# KiCad board jetson-nano-baseboard.kicad_pcb (continued)
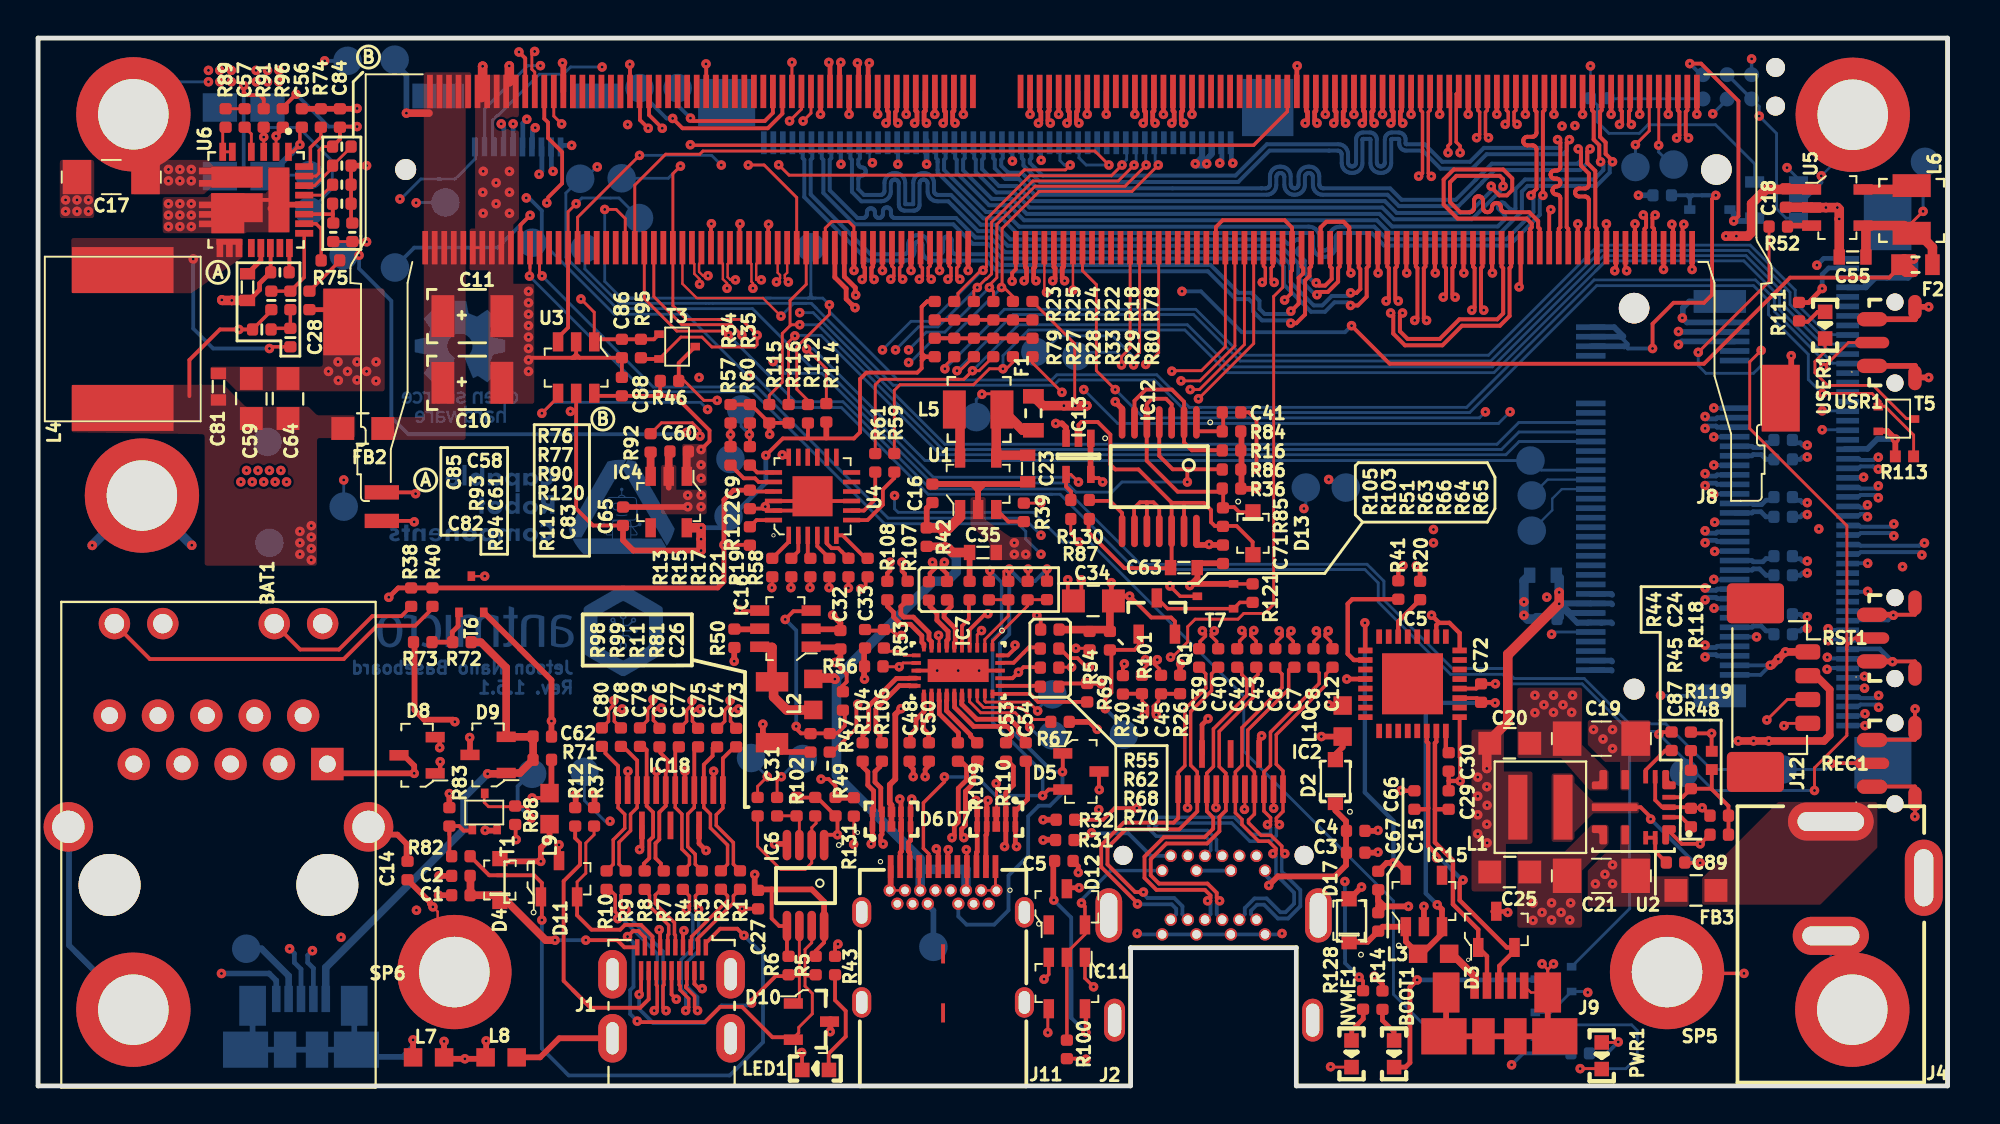
[diagram p0: board, top side]
## Routing (per net, layer and track width the routed paths; a pad name or vN(x,y) marks a point on that pad's centre or on a via; arc(x,y) is an arc through that point) (continued)
  Bottom w0.2: v1(52.96,27.13) 52.33,26.5 51.6,26.5 v1(50.98,27.13) 50.98,23.71 50.49,23.23 50.49,19.25 53.25,16.48 v1(53.77,16.48) 53.77,15.37 53.11,14.71 52.53,14.71 51.97,14.15 51.97,12.07 50.94,11.04 50.94,9.22 50.18,8.47 48.73,8.47 48.3,8.89 J11.B5
/USB/C_USBSS_RX1_N: length 11.9
  Top w0.25: v1(43.73,12.7) 43.86,12.83 43.86,13.14 43.79,13.21 D6.1 D6.1 43.86,14.45 43.86,15.48 43.55,15.79 43.55,16.49 43.29,16.75 43.29,17.15
  In2_SINGAL.Cu w0.18: 44.04,9.24 44.04,9.68 43.4,10.32 43.4,10.74 43.41,10.75
  In2_SINGAL.Cu w0.22: J11.B10 45.68,9.33 45.68,8.78 45.36,8.46 44.54,8.46 44.04,8.96 44.04,9.24 ; 43.41,10.75 43.41,11.39 43.87,11.85 43.87,12.56 v1(43.73,12.7)
/USB/C_USBSS_RX1_P: length 10.7
  Top w0.25: 44.19,17.16 44.19,16.76 43.93,16.5 43.93,15.94 44.23,15.64 44.23,14.45 D6.2 D6.2 44.29,13.21 44.23,13.14 44.23,12.83 v1(44.36,12.7)
  In2_SINGAL.Cu w0.18: 44.39,9.24 44.39,9.77 43.76,10.4 43.76,10.74 43.75,10.75
  In2_SINGAL.Cu w0.22: J11.B11 45.33,9.33 45.33,8.92 45.22,8.81 44.68,8.81 44.39,9.1 44.39,9.24 ; v1(44.36,12.7) 44.22,12.56 44.22,11.71 43.75,11.25 43.75,10.75
/USB/C_USBSS_RX2_N: length 11.2
  Top w0.25: v1(47.97,13.03) 48.09,13.16 48.09,13.64 48.3,13.85 48.3,15.62 48.73,16.06 48.73,16.75 48.31,17.18 ; v1(49.23,14.99) 49.29,14.92 D7.5 D7.5 49.29,12.29 49.25,12.25 J11.A10
  In2_SINGAL.Cu w0.22: v1(47.97,13.03) 48.11,13.17 48.11,13.6 48.54,14.04 49.26,14.04 49.37,14.15 49.37,14.85 v1(49.23,14.99)
/USB/C_USBSS_RX2_P: length 11.2
  Top w0.25: 49.54,17.18 49.11,16.75 49.11,15.9 48.68,15.46 48.68,13.69 48.47,13.48 48.47,13.16 v1(48.59,13.03) ; v1(49.86,14.99) 49.79,14.92 D7.4 D7.4 49.79,13.21 49.75,13.16 J11.A11
  In2_SINGAL.Cu w0.22: v1(48.59,13.03) 48.45,13.17 48.45,13.46 48.69,13.69 49.41,13.69 49.72,14 49.72,14.85 v1(49.86,14.99)
/USB/C_USBSS_RX6_N: length 3.6
  Top w0.25: IC7.10 46.49,23.18 46.39,23.29 46.39,23.63 45.79,24.23 45.28,24.23 44.91,24.61 44.91,24.85 44.59,25.17 44.59,25.58
/USB/C_USBSS_RX6_P: length 3.7
  Top w0.25: 45.7,25.58 45.28,25.16 45.28,24.76 45.44,24.61 45.94,24.61 46.76,23.79 46.76,23.44 46.89,23.31 IC7.9
/USB/C_USBSS_TX1_N: length 10.4
  Top w0.25: v1(45.86,15.06) 45.79,14.99 D6.5 D6.5 45.79,12.89 45.69,12.78 45.69,12.31 45.75,12.25 J11.A3 ; 45.79,17.18 45.79,16.78 45.93,16.63 v1(45.93,16.23)
  In2_SINGAL.Cu w0.22: v1(45.86,15.06) 45.72,14.92 45.72,14.46 46.51,13.67 46.94,13.67 47.31,14.04 47.31,14.86 46.78,15.39 46.33,15.39 46.07,15.64 46.07,16.12 45.96,16.23 v1(45.93,16.23)
/USB/C_USBSS_TX1_P: length 11.5
  Top w0.25: v1(45.23,15.06) 45.29,14.99 D6.4 45.29,13.98 45.31,13.96 45.31,12.31 45.25,12.25 J11.A2 ; v1(46.56,16.23) 46.56,16.61 46.75,16.8 46.75,17.2
  In2_SINGAL.Cu w0.22: v1(45.23,15.06) 45.37,14.92 45.37,14.32 46.36,13.33 47.08,13.33 47.65,13.89 47.65,15 46.92,15.73 46.48,15.73 46.42,15.79 46.42,16.12 46.54,16.23 v1(46.56,16.23)
/USB/C_USBSS_TX2_N: length 14.1
  Top w0.25: v1(50.73,12.57) 50.79,12.63 D7.2 D7.2 50.79,15.39 51.19,15.78 51.19,16.75 50.77,17.18
  In2_SINGAL.Cu w0.18: 50.51,8.79 51.02,9.31 51.02,9.79 51.15,9.91 51.15,10.05 51.42,10.32
  In2_SINGAL.Cu w0.22: J11.B3 49.33,9.33 49.33,8.96 49.74,8.55 50.27,8.55 50.51,8.79 ; v1(50.73,12.57) 50.87,12.71 50.87,13.04 51.24,13.41 51.7,13.41 52.17,12.94 52.17,11.08 51.42,10.32
/USB/C_USBSS_TX2_P: length 11.5
  Top w0.25: 51.39,14.5 51.94,15.04 51.94,17.05 ; v1(51.36,12.57) 51.29,12.63 D7.1 D7.1
  In2_SINGAL.Cu w0.18: 50.31,9.08 50.69,9.46 50.69,9.89 50.84,10.04 50.84,10.24 51.26,10.66
  In2_SINGAL.Cu w0.22: J11.B2 49.68,9.33 49.68,9.1 49.88,8.9 50.12,8.9 50.31,9.08 ; v1(51.36,12.57) 51.22,12.71 51.22,12.9 51.39,13.07 51.56,13.07 51.83,12.8 51.83,11.22 51.26,10.66
/USB/C_USBSS_TX6_N: length 3
  Top w0.25: 46.81,25.58 46.81,25.17 47.18,24.8 47.18,24.44 47.76,23.86 47.76,23.44 47.69,23.37 IC7.7
/USB/C_USBSS_TX6_P: length 3
  Top w0.25: IC7.6 48.09,23.24 48.14,23.29 48.14,24.01 47.55,24.6 47.55,24.8 47.92,25.17 47.92,25.58
/USB/CC1: length 4
  Top w0.15: IC7.2 49.69,23.43 50.92,24.66 50.92,25.52 49.91,25.52
/USB/CC2: length 4.3
  Top w0.15: IC7.1 50.09,23.35 51.94,25.2 51.94,25.52 52.95,25.52 52.96,25.53
/USB/DBG_USB_D_N: length 15.3
  Top w0.23: J9.2 76.05,6.81 D3.1 75.59,8.21 74.26,9.53 74.26,11.83 73.32,12.78 73.32,14.53 ; 73.39,18.63 73.39,18.07 73.32,18 73.32,14.53 ; 73.32,14.53 73.33,14.52 C29.2
/USB/DBG_USB_D_P: length 17
  Top w0.2: 73.46,11.91 v1(73.4,11.97)
  Top w0.23: 74.74,10.81 74.62,10.68 74.62,9.74 77.09,7.27 D3.2 77.49,7.09 76.7,6.3 J9.3 ; v1(73.4,11.97) 73.4,12.16 72.98,12.58 72.96,12.58 72.96,14.58 ; 72.89,18.63 72.89,18.07 72.96,18 72.96,14.58 ; C15.2 72.9,14.52 72.96,14.58 ; 72.29,14.58 72.24,14.54
  Bottom w0.23: 74.74,10.81 73.58,11.97 v1(73.4,11.97)
  vias: v1(74.79,10.81)
/USB/EN_MUX: length 12
  Top w0.15: 54.19,22 54.17,21.98 53.57,21.98 ; IC7.12 45.4,22.2 v1(45.2,22) 44.47,22
  In2_SINGAL.Cu w0.15: v1(54.25,21.98) 53.82,22.41 50.64,22.41 50.34,22.71 45.91,22.71 v1(45.2,22)
/USB/USBC_ADDR: length 5.5
  Top w0.15: IC7.22 48.89,20.17 49.48,19.59 51.29,19.59 v1(52.04,18.83)
  Bottom w0.15: TP21.1 52.48,18.4 v1(52.04,18.83)
/USB/USBC_FAULT: length 4.6
  Top w0.15: v1(52.47,19.68) 52,20.15 49.75,20.15 49.69,20.2 IC7.24
  Bottom w0.15: TP32.1 52.47,19.78 v1(52.47,19.68)
/USB/USBC_ID: length 15.2
  Top w0.125: 51.03,21.4 IC7.27
  Top w0.2: 50.79,21.4 51.14,21.4 v1(51.46,21.71) 51.72,21.98 52.61,21.98 ; v1(56.02,19.8) 56.02,20.32 56.34,20.64 56.34,22.81 56.26,22.89 57.56,22.89 57.78,23.11 57.77,23.12 Q1.1
  In2_SINGAL.Cu w0.2: v1(51.46,21.71) 51.46,21.72 52.42,21.72 54.34,19.8 v1(56.02,19.8)
  Bottom w0.2: v1(56.02,19.8) 56.99,18.82 TP18.1
/USB/USBC_INTN: length 4.7
  Top w0.15: 53.16,19.08 53.01,19.23 52.25,19.23 51.62,19.87 49.63,19.87 49.29,20.2 IC7.23
/USB/USBC_SCL: length 2.2
  Top w0.2: IC7.26 52.47,21 52.6,21.13
/USB/USBC_SDA: length 5.2
  Top w0.2: 55.12,20.16 52.49,20.16 52.07,20.58 IC7.25
/USB/USBSS_RX1_N: length 5.2
  Top w0.25: 43.29,18 43.29,18.41 43.6,18.71 43.6,19.94 45.05,21.39 45.7,21.39 45.71,21.4 IC7.14
/USB/USBSS_RX1_P: length 4.5
  Top w0.25: IC7.15 45.74,21 45.73,21.01 45.2,21.01 43.98,19.78 43.98,18.63 44.19,18.42 44.19,18.01
/USB/USBSS_RX2_N: length 3
  Top w0.25: IC7.18 47.29,20.22 47.31,20.2 47.31,19.53 48.31,18.53 48.31,18.03
/USB/USBSS_RX2_P: length 3.3
  Top w0.25: R110.1 48.95,18.36 48.95,18.43 47.68,19.69 47.68,20.2 47.69,20.22 IC7.19
/USB/USBSS_TX1_N: length 2.8
  Top w0.25: 45.79,18.03 45.79,18.44 46.08,18.73 46.08,19.23 46.51,19.65 46.51,20.2 46.49,20.22 IC7.16
/USB/USBSS_TX1_P: length 2.9
  Top w0.25: 46.75,18.05 46.75,18.46 46.46,18.75 46.46,19.07 46.88,19.5 46.88,20.2 46.89,20.22 IC7.17
/USB/USBSS_TX2_N: length 5
  Top w0.25: 50.77,18.03 51.09,18.35 51.09,18.65 50.87,18.87 49.11,18.87 48.11,19.88 48.11,20.2 48.09,20.22 IC7.20
/USB/USBSS_TX2_P: length 5.1
  Top w0.25: 51.99,18.03 51.47,18.55 51.47,18.8 51.02,19.25 49.27,19.25 48.48,20.03 48.48,20.2 48.49,20.22 IC7.21
\PEWAKE_3V3: length 56.7
  Top w0.15: v1(40.15,50.65) 40.57,51.06 40.57,52.2
  In2_SINGAL.Cu w0.15: v1(39.98,40.59) 39.98,40.97 40.14,41.13 40.14,50.63 v1(40.15,50.65)
  Bottom w0.15: J8.54 77.72,34.82 76.58,33.68 47.59,33.68 40.68,40.59 v1(39.98,40.59)
DP_PWR: length 18.4
  Top w0.3: v1(67.36,18.34) 67.36,18.34 L10.2 68.48,17.78 68.09,17.4 68.09,17.06 ; R26.2 59.94,22.13 v1(59.97,22.16)
  In2_SINGAL.Cu w0.3: 61.94,22.46 60.28,22.46 v1(59.97,22.16) ; 61.94,22.46 68.81,22.46 69.42,21.86 69.42,20.4 v1(67.36,18.34) ; 61.94,22.46 60.89,22.46
EGND: length 18.1
  Top w0.3: 17.38,13.19 18.86,13.19 19.34,12.71 19.34,11.84 C14.1
  Top w0.4: 17.38,13.19 17.39,13.19
  Bottom w0.3: 2,7 SP4.1 1.62,7.38 1.62,13.19 ; 2,13.07 2.12,13.19
ENET_LED0: length 51.5
  Top w0.2: M1.194 36.82,45.23 v1(36.84,45.26)
  In5_3V3_SYS_SIGNAL.Cu w0.2: J3.13 8.19,25.91 15.44,25.91 16.59,24.76 23.04,24.76 24.69,26.41 24.69,43.26 25.54,44.11 36.49,44.11 36.82,44.43 36.82,45.23 v1(36.84,45.26)
ENET_LED1: length 43.2
  Top w0.2: M1.188 38.32,45.2 v1(38.34,45.23)
  In5_3V3_SYS_SIGNAL.Cu w0.2: v1(38.34,45.23) 36.77,43.66 25.79,43.66 25.14,43.01 25.14,26.21 23.2,24.27 J3.11
ENET_TRD0_N: length 53.4
  Top w0.125: v1(39.38,42.2) 39.19,42.39 39.19,42.56 39.32,42.69 M1.184
  In5_3V3_SYS_SIGNAL.Cu w0.125: J3.3 12.93,16.9 16.14,20.11 25.32,20.11 31.07,25.85 31.07,29.58 31.07,29.62 31.08,29.66 31.1,29.69 31.13,29.72 31.17,29.74 31.2,29.75 31.24,29.76 31.4,29.76 31.49,29.77 31.57,29.8 31.65,29.84 31.71,29.91 31.76,29.98 31.79,30.07 31.8,30.16 31.8,30.21 31.79,30.29 31.76,30.38 31.71,30.46 31.65,30.52 31.57,30.57 31.49,30.6 31.4,30.61 30.51,30.61 30.47,30.61 30.44,30.62 30.4,30.64 30.37,30.67 30.35,30.71 30.34,30.74 30.34,30.78 30.34,30.82 30.35,30.86 30.37,30.89 30.4,30.92 30.44,30.94 30.47,30.95 30.51,30.96 31.4,30.96 31.49,30.97 31.57,31 31.65,31.04 31.71,31.11 31.76,31.18 31.79,31.27 31.8,31.36 31.8,31.41 31.79,31.49 31.76,31.58 31.71,31.66 31.65,31.72 31.57,31.77 31.49,31.8 31.4,31.81 30.51,31.81 30.47,31.81 30.44,31.82 30.4,31.84 30.37,31.87 30.35,31.91 30.34,31.94 30.34,31.98 30.34,32.02 30.35,32.06 30.37,32.09 30.4,32.12 30.44,32.14 30.47,32.15 30.51,32.16 31.4,32.16 31.49,32.17 31.57,32.2 31.65,32.24 31.71,32.31 31.76,32.38 31.79,32.47 31.8,32.56 31.8,32.61 31.79,32.69 31.76,32.78 31.71,32.86 31.65,32.92 31.57,32.97 31.49,33 31.4,33.01 31.24,33.01 31.2,33.01 31.17,33.02 31.13,33.04 31.1,33.07 31.08,33.11 31.07,33.14 31.07,33.18 31.07,39.75 31.49,40.18 37.87,40.18 39.14,41.45 39.14,41.96 v1(39.38,42.2)
ENET_TRD0_P: length 53.4
  Top w0.125: v1(38.76,42.2) 38.94,42.39 38.94,42.56 38.82,42.69 M1.186
  In5_3V3_SYS_SIGNAL.Cu w0.125: v1(38.76,42.2) 38.89,42.06 38.89,41.56 37.77,40.43 31.39,40.43 30.82,39.86 30.82,33.16 30.83,33.07 30.86,32.98 30.9,32.91 30.97,32.84 31.04,32.8 31.13,32.77 31.22,32.76 31.37,32.76 31.41,32.75 31.45,32.74 31.48,32.72 31.51,32.69 31.53,32.66 31.54,32.62 31.55,32.58 31.54,32.54 31.53,32.51 31.51,32.47 31.48,32.44 31.45,32.42 31.41,32.41 31.37,32.41 30.49,32.41 30.4,32.4 30.31,32.37 30.24,32.32 30.17,32.26 30.13,32.18 30.1,32.09 30.09,32.01 30.09,31.96 30.1,31.87 30.13,31.78 30.17,31.71 30.24,31.64 30.31,31.6 30.4,31.57 30.49,31.56 31.37,31.56 31.41,31.55 31.45,31.54 31.48,31.52 31.51,31.49 31.53,31.46 31.54,31.42 31.55,31.38 31.54,31.34 31.53,31.31 31.51,31.27 31.48,31.24 31.45,31.22 31.41,31.21 31.37,31.21 30.49,31.21 30.4,31.2 30.31,31.17 30.24,31.12 30.17,31.06 30.13,30.98 30.1,30.89 30.09,30.81 30.09,30.76 30.1,30.67 30.13,30.58 30.17,30.51 30.24,30.44 30.31,30.4 30.4,30.37 30.49,30.36 31.37,30.36 31.41,30.35 31.45,30.34 31.48,30.32 31.51,30.29 31.53,30.26 31.54,30.22 31.55,30.18 31.54,30.14 31.53,30.11 31.51,30.07 31.48,30.04 31.45,30.02 31.41,30.01 31.37,30.01 31.22,30.01 31.13,30 31.04,29.97 30.97,29.92 30.9,29.86 30.86,29.78 30.83,29.69 30.82,29.61 30.82,25.96 30.32,25.46 26.71,21.86 26.69,21.84 26.67,21.83 26.64,21.82 26.61,21.82 26.58,21.83 26.56,21.84 26.54,21.86 26.32,22.07 26.3,22.09 26.27,22.1 26.25,22.11 26.22,22.11 26.19,22.1 26.17,22.09 26.15,22.07 26.13,22.05 26.12,22.02 26.11,22 26.11,21.97 26.12,21.94 26.13,21.92 26.15,21.89 26.36,21.68 26.38,21.66 26.39,21.63 26.4,21.6 26.4,21.58 26.39,21.55 26.38,21.52 26.36,21.5 26.34,21.48 26.31,21.47 26.29,21.47 26.26,21.47 26.23,21.47 26.21,21.48 26.18,21.5 25.97,21.72 25.95,21.73 25.92,21.75 25.89,21.75 25.87,21.75 25.84,21.75 25.81,21.73 25.79,21.72 25.77,21.69 25.76,21.67 25.76,21.64 25.76,21.61 25.76,21.59 25.77,21.56 25.79,21.54 26.01,21.32 26.02,21.3 26.04,21.28 26.04,21.25 26.04,21.22 26.04,21.2 26.02,21.17 26.01,21.15 25.98,21.13 25.96,21.12 25.93,21.11 25.9,21.11 25.88,21.12 25.85,21.13 25.83,21.15 25.61,21.36 25.59,21.38 25.57,21.39 25.54,21.4 25.51,21.4 25.49,21.39 25.46,21.38 25.44,21.36 25.42,21.34 25.41,21.32 25.4,21.29 25.4,21.26 25.41,21.23 25.42,21.21 25.44,21.19 25.65,20.97 25.67,20.95 25.68,20.92 25.69,20.9 25.69,20.87 25.68,20.84 25.67,20.82 25.65,20.79 25.21,20.36 14.83,20.36 J3.2
ENET_TRD1_N: length 53.4
  Top w0.125: 37.69,42.31 37.69,43.15 37.82,43.28 M1.190 ; 37.7,42.31 v1(37.96,42.31)
  In5_3V3_SYS_SIGNAL.Cu w0.125: v1(37.96,42.31) 37.61,42.31 37.6,42.3 37.31,42.3 37.08,42.08 37.08,41.78 36.38,41.08 30.22,41.08 29.47,40.33 29.47,36.71 29.48,36.63 29.5,36.56 29.54,36.49 29.6,36.44 29.66,36.4 29.74,36.37 29.81,36.36 29.96,36.36 29.98,36.36 30.01,36.35 30.03,36.34 30.05,36.32 30.06,36.3 30.07,36.27 30.07,36.25 30.07,36.23 30.07,36.21 30.06,36.18 30.05,36.16 30.03,36.14 30.01,36.13 29.98,36.12 29.96,36.11 29.81,36.11 29.74,36.11 29.66,36.08 29.6,36.04 29.54,35.98 29.5,35.92 29.48,35.85 29.47,35.77 29.47,35.71 29.48,35.63 29.5,35.56 29.54,35.49 29.6,35.44 29.66,35.4 29.74,35.37 29.81,35.36 29.96,35.36 29.98,35.36 30.01,35.35 30.03,35.34 30.05,35.32 30.06,35.3 30.07,35.27 30.07,35.25 30.07,35.23 30.07,35.21 30.06,35.18 30.05,35.16 30.03,35.14 30.01,35.13 29.98,35.12 29.96,35.11 29.81,35.11 29.74,35.11 29.66,35.08 29.6,35.04 29.54,34.98 29.5,34.92 29.48,34.85 29.47,34.77 29.47,34.71 29.48,34.63 29.5,34.56 29.54,34.49 29.6,34.44 29.66,34.4 29.74,34.37 29.81,34.36 29.96,34.36 29.98,34.36 30.01,34.35 30.03,34.34 30.05,34.32 30.06,34.3 30.07,34.27 30.07,34.25 30.07,34.23 30.07,34.21 30.06,34.18 30.05,34.16 30.03,34.14 30.01,34.13 29.98,34.12 29.96,34.11 29.81,34.11 29.74,34.11 29.66,34.08 29.6,34.04 29.54,33.98 29.5,33.92 29.48,33.85 29.47,33.77 29.47,26.41 24.19,21.13 10.46,21.13 10.1,20.77 J3.5
ENET_TRD1_P: length 53.4
  Top w0.125: M1.192 37.32,43.28 37.44,43.15 37.44,42.21 37.52,42.13 v1(37.52,41.87)
  In5_3V3_SYS_SIGNAL.Cu w0.125: J3.4 10.35,20.46 10.35,20.66 10.57,20.88 11.64,20.88 11.67,20.88 11.7,20.87 11.72,20.85 11.74,20.83 11.75,20.81 11.76,20.78 11.77,20.76 11.77,20.58 11.77,20.55 11.78,20.53 11.79,20.5 11.81,20.48 11.84,20.47 11.86,20.46 11.89,20.45 11.92,20.46 11.95,20.47 11.97,20.48 11.99,20.5 12,20.53 12.01,20.55 12.02,20.58 12.02,20.76 12.02,20.78 12.03,20.81 12.04,20.83 12.06,20.85 12.09,20.87 12.11,20.88 12.14,20.88 12.17,20.88 12.2,20.87 12.22,20.85 12.24,20.83 12.25,20.81 12.26,20.78 12.27,20.76 12.27,20.58 12.27,20.55 12.28,20.53 12.29,20.5 12.31,20.48 12.34,20.47 12.36,20.46 12.39,20.45 12.42,20.46 12.45,20.47 12.47,20.48 12.49,20.5 12.5,20.53 12.51,20.55 12.52,20.58 12.52,20.76 12.52,20.78 12.53,20.81 12.54,20.83 12.56,20.85 12.59,20.87 12.61,20.88 12.64,20.88 12.67,20.88 12.7,20.87 12.72,20.85 12.74,20.83 12.75,20.81 12.76,20.78 12.77,20.76 12.77,20.58 12.77,20.55 12.78,20.53 12.79,20.5 12.81,20.48 12.84,20.47 12.86,20.46 12.89,20.45 12.92,20.46 12.95,20.47 12.97,20.48 12.99,20.5 13,20.53 13.01,20.55 13.02,20.58 13.02,20.76 13.02,20.78 13.03,20.81 13.04,20.83 13.06,20.85 13.09,20.87 13.11,20.88 13.14,20.88 24.29,20.88 26.45,23.04 26.48,23.06 26.5,23.07 26.53,23.08 26.56,23.08 26.58,23.07 26.61,23.06 26.65,23.03 26.68,23.01 26.71,23.01 26.73,23.01 26.76,23.01 26.79,23.03 26.81,23.04 26.83,23.06 26.84,23.09 26.84,23.12 26.84,23.15 26.84,23.17 26.83,23.2 26.79,23.24 26.78,23.27 26.77,23.29 26.77,23.32 26.78,23.35 26.79,23.37 26.81,23.4 26.83,23.41 26.86,23.43 26.88,23.43 26.91,23.43 26.94,23.43 26.96,23.41 27.01,23.38 27.03,23.37 27.06,23.36 27.09,23.36 27.11,23.37 27.14,23.38 27.16,23.4 27.18,23.42 27.19,23.44 27.2,23.47 27.2,23.5 27.19,23.53 27.18,23.55 27.14,23.59 27.13,23.62 27.13,23.65 27.13,23.68 27.13,23.7 27.14,23.73 27.16,23.75 27.18,23.77 27.21,23.78 27.24,23.79 27.26,23.79 27.29,23.78 27.32,23.77 27.36,23.73 27.39,23.72 27.41,23.71 27.44,23.71 27.47,23.72 27.49,23.73 27.52,23.75 27.53,23.77 27.55,23.8 27.55,23.82 27.55,23.85 27.55,23.88 27.53,23.9 27.5,23.95 27.49,23.97 27.48,24 27.48,24.03 27.49,24.06 27.5,24.08 27.52,24.1 27.54,24.12 27.56,24.13 27.59,24.14 27.62,24.14 27.65,24.13 27.67,24.12 27.71,24.09 27.74,24.07 27.77,24.07 27.79,24.07 27.82,24.07 27.85,24.09 27.87,24.1 27.89,24.13 27.9,24.15 27.91,24.18 27.91,24.21 27.9,24.23 27.89,24.26 27.85,24.3 27.84,24.33 27.83,24.35 27.83,24.38 27.84,24.41 27.85,24.43 27.87,24.46 29.72,26.3 29.72,33.75 29.72,33.77 29.73,33.8 29.74,33.82 29.76,33.84 29.78,33.85 29.81,33.86 29.83,33.86 29.98,33.86 30.06,33.87 30.13,33.9 30.19,33.94 30.25,33.99 30.29,34.06 30.32,34.13 30.32,34.21 30.32,34.27 30.32,34.35 30.29,34.42 30.25,34.48 30.19,34.54 30.13,34.58 30.06,34.61 29.98,34.61 29.83,34.61 29.81,34.62 29.78,34.63 29.76,34.64 29.74,34.66 29.73,34.68 29.72,34.71 29.72,34.73 29.72,34.75 29.72,34.77 29.73,34.8 29.74,34.82 29.76,34.84 29.78,34.85 29.81,34.86 29.83,34.86 29.98,34.86 30.06,34.87 30.13,34.9 30.19,34.94 30.25,34.99 30.29,35.06 30.32,35.13 30.32,35.21 30.32,35.27 30.32,35.35 30.29,35.42 30.25,35.48 30.19,35.54 30.13,35.58 30.06,35.61 29.98,35.61 29.83,35.61 29.81,35.62 29.78,35.63 29.76,35.64 29.74,35.66 29.73,35.68 29.72,35.71 29.72,35.73 29.72,35.75 29.72,35.77 29.73,35.8 29.74,35.82 29.76,35.84 29.78,35.85 29.81,35.86 29.83,35.86 29.98,35.86 30.06,35.87 30.13,35.9 30.19,35.94 30.25,35.99 30.29,36.06 30.32,36.13 30.32,36.21 30.32,36.27 30.32,36.35 30.29,36.42 30.25,36.48 30.19,36.54 30.13,36.58 30.06,36.61 29.98,36.61 29.83,36.61 29.81,36.62 29.78,36.63 29.76,36.64 29.74,36.66 29.73,36.68 29.72,36.71 29.72,36.73 29.72,40.18 30.37,40.83 36.48,40.83 v1(37.52,41.87)
ENET_TRD2_N: length 53.4
  Top w0.125: M1.196 36.32,43.28 36.19,43.15 36.19,42.45 36.34,42.31 v1(36.6,42.31)
  In5_3V3_SYS_SIGNAL.Cu w0.125: J3.8 8.69,21.83 23.19,21.83 24.35,22.99 24.37,23.02 24.38,23.04 24.39,23.07 24.39,23.1 24.38,23.12 24.37,23.15 24.35,23.17 24.27,23.25 24.26,23.27 24.24,23.3 24.24,23.33 24.24,23.35 24.24,23.38 24.26,23.41 24.27,23.43 24.29,23.45 24.32,23.46 24.35,23.46 24.38,23.46 24.4,23.46 24.43,23.45 24.45,23.43 24.53,23.35 24.55,23.33 24.58,23.32 24.6,23.31 24.63,23.31 24.66,23.32 24.68,23.33 24.71,23.35 24.72,23.37 24.74,23.4 24.74,23.42 24.74,23.45 24.74,23.48 24.72,23.5 24.71,23.52 24.63,23.61 24.61,23.63 24.6,23.65 24.59,23.68 24.59,23.71 24.6,23.73 24.61,23.76 24.63,23.78 24.65,23.8 24.67,23.81 24.7,23.82 24.73,23.82 24.76,23.81 24.78,23.8 24.8,23.78 24.88,23.7 24.91,23.68 24.93,23.67 24.96,23.67 24.99,23.67 25.01,23.67 25.04,23.68 25.06,23.7 25.08,23.72 25.09,23.75 25.1,23.78 25.1,23.8 25.09,23.83 25.08,23.86 25.06,23.88 24.98,23.96 24.96,23.98 24.95,24.01 24.94,24.03 24.94,24.06 24.95,24.09 24.96,24.11 24.98,24.14 25,24.15 25.03,24.17 25.05,24.17 25.08,24.17 25.11,24.17 25.13,24.15 25.16,24.14 25.24,24.06 25.26,24.04 25.28,24.03 25.31,24.02 25.34,24.02 25.37,24.03 25.39,24.04 25.41,24.06 28.62,27.26 28.62,30.43 28.61,30.47 28.6,30.51 28.58,30.54 28.55,30.57 28.52,30.59 28.48,30.6 28.44,30.61 28.27,30.61 28.18,30.62 28.09,30.65 28.02,30.69 27.95,30.76 27.91,30.83 27.88,30.92 27.87,31.01 27.87,31.06 27.88,31.14 27.91,31.23 27.95,31.31 28.02,31.37 28.09,31.42 28.18,31.45 28.27,31.46 28.44,31.46 28.48,31.46 28.52,31.47 28.55,31.49 28.58,31.52 28.6,31.56 28.61,31.59 28.62,31.63 28.61,31.67 28.6,31.71 28.58,31.74 28.55,31.77 28.52,31.79 28.48,31.8 28.44,31.81 28.27,31.81 28.18,31.82 28.09,31.85 28.02,31.89 27.95,31.96 27.91,32.03 27.88,32.12 27.87,32.21 27.87,32.26 27.88,32.34 27.91,32.43 27.95,32.51 28.02,32.57 28.09,32.62 28.18,32.65 28.27,32.66 28.44,32.66 28.48,32.66 28.52,32.67 28.55,32.69 28.58,32.72 28.6,32.76 28.61,32.79 28.62,32.83 28.62,40.63 29.61,41.63 35.57,41.63 35.72,41.78 35.72,42.08 35.95,42.3 36.24,42.3 36.25,42.31 v1(36.6,42.31)
ENET_TRD2_P: length 53.4
  Top w0.125: M1.198 35.82,43.28 35.94,43.15 35.94,42.35 36.16,42.13 v1(36.16,41.87)
  In5_3V3_SYS_SIGNAL.Cu w0.125: v1(36.16,41.87) 35.67,41.38 29.72,41.38 28.87,40.53 28.87,32.81 28.86,32.72 28.83,32.63 28.78,32.56 28.72,32.49 28.64,32.45 28.56,32.42 28.47,32.41 28.29,32.41 28.25,32.4 28.22,32.39 28.18,32.37 28.15,32.34 28.13,32.31 28.12,32.27 28.12,32.23 28.12,32.19 28.13,32.16 28.15,32.12 28.18,32.09 28.22,32.07 28.25,32.06 28.29,32.06 28.47,32.06 28.56,32.05 28.64,32.02 28.72,31.97 28.78,31.91 28.83,31.83 28.86,31.74 28.87,31.66 28.87,31.61 28.86,31.52 28.83,31.43 28.78,31.36 28.72,31.29 28.64,31.25 28.56,31.22 28.47,31.21 28.29,31.21 28.25,31.2 28.22,31.19 28.18,31.17 28.15,31.14 28.13,31.11 28.12,31.07 28.12,31.03 28.12,30.99 28.13,30.96 28.15,30.92 28.18,30.89 28.22,30.87 28.25,30.86 28.29,30.86 28.47,30.86 28.56,30.85 28.64,30.82 28.72,30.77 28.78,30.71 28.83,30.63 28.86,30.54 28.87,30.46 28.87,27.15 23.29,21.58 9.42,21.58 9.39,21.58 9.36,21.57 9.34,21.55 9.32,21.53 9.3,21.51 9.29,21.48 9.29,21.46 9.29,21.44 9.29,21.41 9.28,21.39 9.26,21.36 9.24,21.34 9.22,21.33 9.19,21.32 9.17,21.31 9.14,21.32 9.11,21.33 9.09,21.34 9.07,21.36 9.05,21.39 9.04,21.41 9.04,21.44 9.04,21.46 9.04,21.48 9.03,21.51 9.01,21.53 8.99,21.55 8.97,21.57 8.94,21.58 8.92,21.58 8.79,21.58 7.56,20.35 J3.7
ENET_TRD3_N: length 53.4
  Top w0.125: v1(35.16,42.53) 34.9,42.53 34.69,42.73 34.69,43.15 34.82,43.28 M1.202
  In5_3V3_SYS_SIGNAL.Cu w0.125: v1(35.16,42.53) 34.9,42.53 34.79,42.63 27.59,42.63 27.12,42.16 27.12,27.16 25.23,25.27 25.21,25.25 25.18,25.24 25.15,25.23 25.13,25.23 25.1,25.24 25.07,25.25 25.05,25.27 24.95,25.37 24.93,25.38 24.91,25.4 24.88,25.4 24.85,25.4 24.82,25.4 24.8,25.38 24.78,25.37 24.76,25.34 24.75,25.32 24.74,25.29 24.74,25.26 24.75,25.24 24.76,25.21 24.78,25.19 24.87,25.09 24.89,25.07 24.9,25.05 24.91,25.02 24.91,24.99 24.9,24.96 24.89,24.94 24.87,24.92 24.85,24.9 24.83,24.89 24.8,24.88 24.77,24.88 24.74,24.89 24.72,24.9 24.7,24.92 24.6,25.01 24.58,25.03 24.55,25.04 24.53,25.05 24.5,25.05 24.47,25.04 24.45,25.03 24.42,25.01 24.41,24.99 24.39,24.97 24.39,24.94 24.39,24.91 24.39,24.88 24.41,24.86 24.42,24.84 24.52,24.74 24.54,24.72 24.55,24.69 24.56,24.66 24.56,24.64 24.55,24.61 24.54,24.58 24.52,24.56 24.5,24.54 24.47,24.53 24.45,24.53 24.42,24.53 24.39,24.53 24.37,24.54 24.34,24.56 24.25,24.66 24.23,24.68 24.2,24.69 24.17,24.7 24.14,24.7 24.12,24.69 24.09,24.68 24.07,24.66 24.05,24.64 24.04,24.61 24.03,24.59 24.03,24.56 24.04,24.53 24.05,24.5 24.07,24.48 24.17,24.39 24.19,24.36 24.2,24.34 24.2,24.31 24.2,24.28 24.2,24.26 24.19,24.23 24.17,24.21 22.59,22.63 6.95,22.63 J3.10
ENET_TRD3_P: length 53.4
  Top w0.125: M1.204 34.32,43.28 34.44,43.15 34.44,42.63 34.72,42.35 v1(34.72,42.09)
  In5_3V3_SYS_SIGNAL.Cu w0.125: J3.9 5.02,20.35 7.05,22.38 22.69,22.38 27.37,27.05 27.37,42.05 27.69,42.38 34.69,42.38 34.72,42.35 v1(34.72,42.09)
FAN_PWM: length 11.5
  Top w0.15: M1.230 27.82,45.88 v1(28.24,46.31)
  Top w0.2: U3.3 27.29,39.28 27.82,39.81 M1.230
  Bottom w0.15: v1(28.24,46.31) 28.54,46.61 30.49,46.61 TP13.1
FAN_TACH: length 24.7
  Top w0.15: 35.72,40.23 36.92,40.23 v1(37.74,39.41) 37.74,38.91 37.62,38.79 35.37,38.79 34.85,39.31 33.74,39.31 T3.2 ; 35.72,40.23 36.47,40.23 ; 35.72,40.23 34.04,40.23 33.32,40.95 M1.208 33.32,47.88 v1(33.72,48.28)
  Top w0.2: R95.2 31.71,38.16 T3.2
  Bottom w0.15: 31.26,47.64 TP14.1 33.08,47.64 v1(33.72,48.28)
GEN0_SCL: length 75.6
  Top w0.2: 39.07,52.2 39.07,51.03 38.3,50.27 33.82,50.27 v1(33.31,50.78)
  In2_SINGAL.Cu w0.15: v1(91.8,48.2) 90.73,48.2 v1(87.9,51.03) 87.22,51.71 80.84,51.71 80.54,51.41 80.54,50.53 v1(80.67,50.41)
  In3_SIGNAL.Cu w0.15: 80.62,50.91 80.62,51.66 79.87,52.41 34.93,52.41 v1(33.31,50.78) ; v1(80.67,50.41) 80.62,50.46 80.62,51.22
  Bottom w0.15: v1(91.8,48.2) 92.4,47.6 IC17.1
  Bottom w0.18: TP30.4 88.66,51.78 v1(87.9,51.03)
  Bottom w0.2: v1(33.31,50.78) 32.99,50.78 31.57,52.2
GEN0_SDA: length 77.8
  Top w0.2: v1(34.24,50.8) 34.39,50.65 38.14,50.65 38.57,51.07 38.57,52.2
  In2_SINGAL.Cu w0.15: v1(90.34,50.91) 89.04,52.21 80.74,52.21 80.14,51.61 80.14,50.53 v1(79.99,50.38)
  In3_SIGNAL.Cu w0.15: 79.64,52.11 35.14,52.11 34.24,51.21 v1(34.24,50.8) ; 79.64,52.11 79.99,51.76 ; 79.64,52.11 80.02,51.73 80.02,50.41 v1(79.99,50.38) ; 79.99,50.46 80.04,50.41
  Bottom w0.15: IC17.3 91.75,45.55 91.25,46.05 91.25,50 v1(90.34,50.91) 90.34,51.41 TP30.6
  Bottom w0.18: TP30.6 88.67,53.08 TP30.3
  Bottom w0.2: 33.57,52.2 33.57,51.47 v1(34.24,50.8)
HDMI_PWR: length 31.5
  Top w0.2: 41.26,8.39 41.26,7.53 40.81,7.09 40.81,6.73 ; 39.39,6.73 39.31,6.81 IC6.5 38.9,8.39 38.5,8.79 38.5,10.31
  Top w0.25: IC18.15 34.69,12.72 v1(35.06,12.36) ; IC18.13 31.69,12.53 v1(31.57,12.41)
  Top w0.3: 41.26,8.39 41.26,9.67 40.61,10.31 37.69,10.31 37.64,10.26 37.61,10.28 v1(37.61,11.1) ; L9.2 26.84,12.95 26.39,12.5 v1(26.39,11.79) 24.39,11.79 D4.A ; 26.9,13.56 27.07,13.74
  In2_SINGAL.Cu w0.3: v1(26.39,11.79) 29.15,11.79 29.74,12.37 36.34,12.37 v1(37.61,11.1)
HDMI_SHIELD: length 10.1
  Top w0.2: J1.7 33.85,8.1 v1(33.9,8.15) ; v1(33.5,4.55) 33.25,4.8 J1.10 ; v1(32.6,8.2) 32.65,8.15 J1.13 ; v1(34.86,5.11) 34.69,5.11 34.45,5.35 J1.4
  Top w0.3: L8.2 26.35,1.5 27.35,2.5 J1.SH
M2_ALERT: length 58.8
  Top w0.15: R114.1 41.37,37.65 v1(40.34,38.68) ; v1(36.94,39.41) 36.39,39.96 33.79,39.96 32.32,41.43 M1.212
  In2_SINGAL.Cu w0.15: v1(40.34,38.68) 37.66,38.68 v1(36.94,39.41)
  Bottom w0.15: v1(40.34,38.68) 40.69,38.68 46.55,32.82 78.4,32.82 78.9,32.32 J8.44
OTG_USB_D_N: length 88.8
  Top w0.23: v1(21.1,17.02) 21.1,16.44 21.09,16.42
  Top w0.25: v1(60.13,50.54) 60.01,50.66 60.01,51.12 60.07,51.19 60.07,52.2
  In3_SIGNAL.Cu w0.16: v1(60.13,50.54) 60.13,50.18 59.96,50.01 59.96,48.14 59.35,47.53 33.57,47.53 29.88,43.83 29.88,35.54 27.77,33.43 27.77,18.73 26.05,17.02 20.96,17.02 ; v1(21.1,17.02) 20.87,17.26 18.29,17.26 12.98,11.95 12.98,8.97 13.89,8.06 13.89,7.61 v1(14.4,7.1)
  Bottom w0.25: J5.2 14.45,6.18 14.15,6.48 14.15,6.85 v1(14.4,7.1)
